# Altium PCB nixie_clock.PcbDoc (part 1 of 2)
Units mm, origin at the board's own origin, x right, y up, seen from the top; angles counter-clockwise.
Board outline 218 x 79.99 mm, 2 copper layers (Top Layer, Bottom Layer); 103 components, 131 nets, 486 pads, 87 vias.
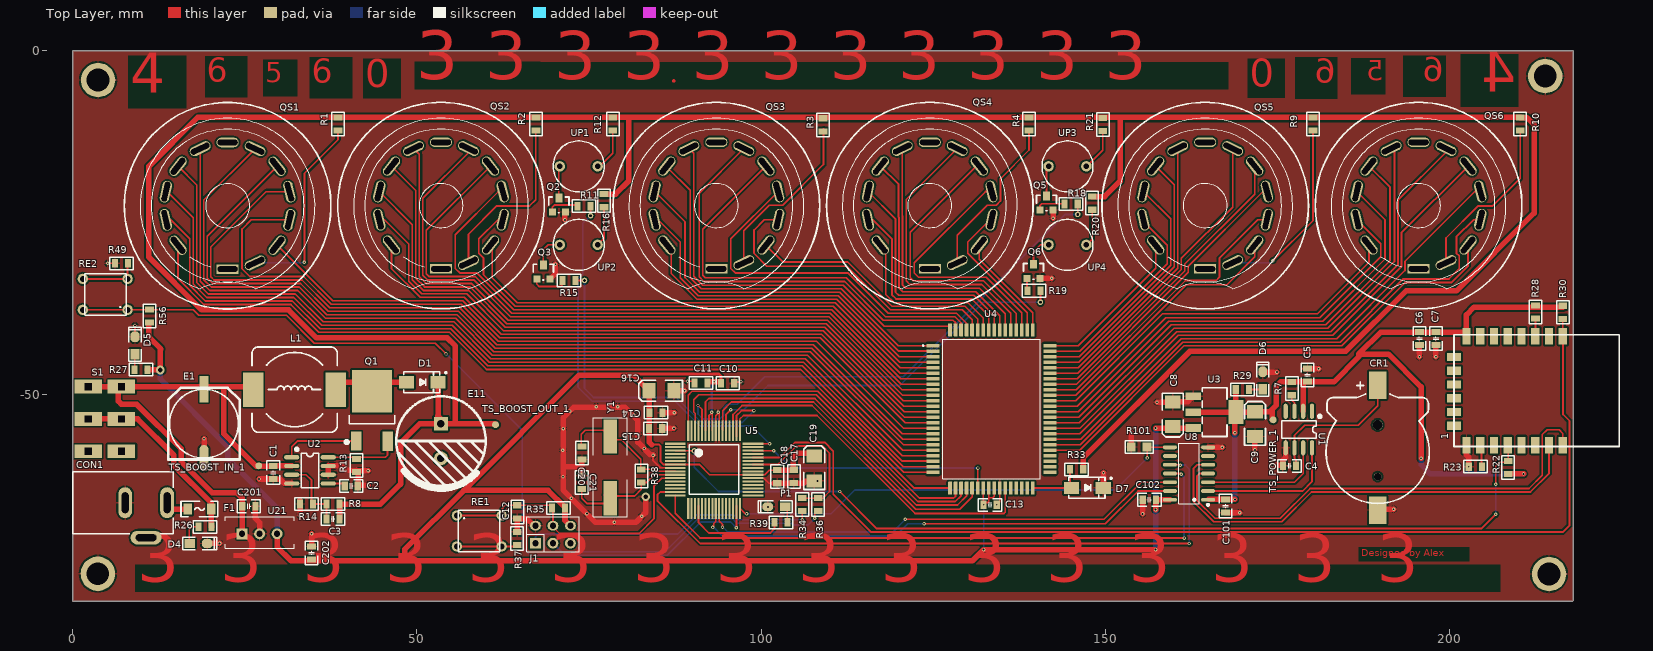
[diagram p0: Top Layer view]
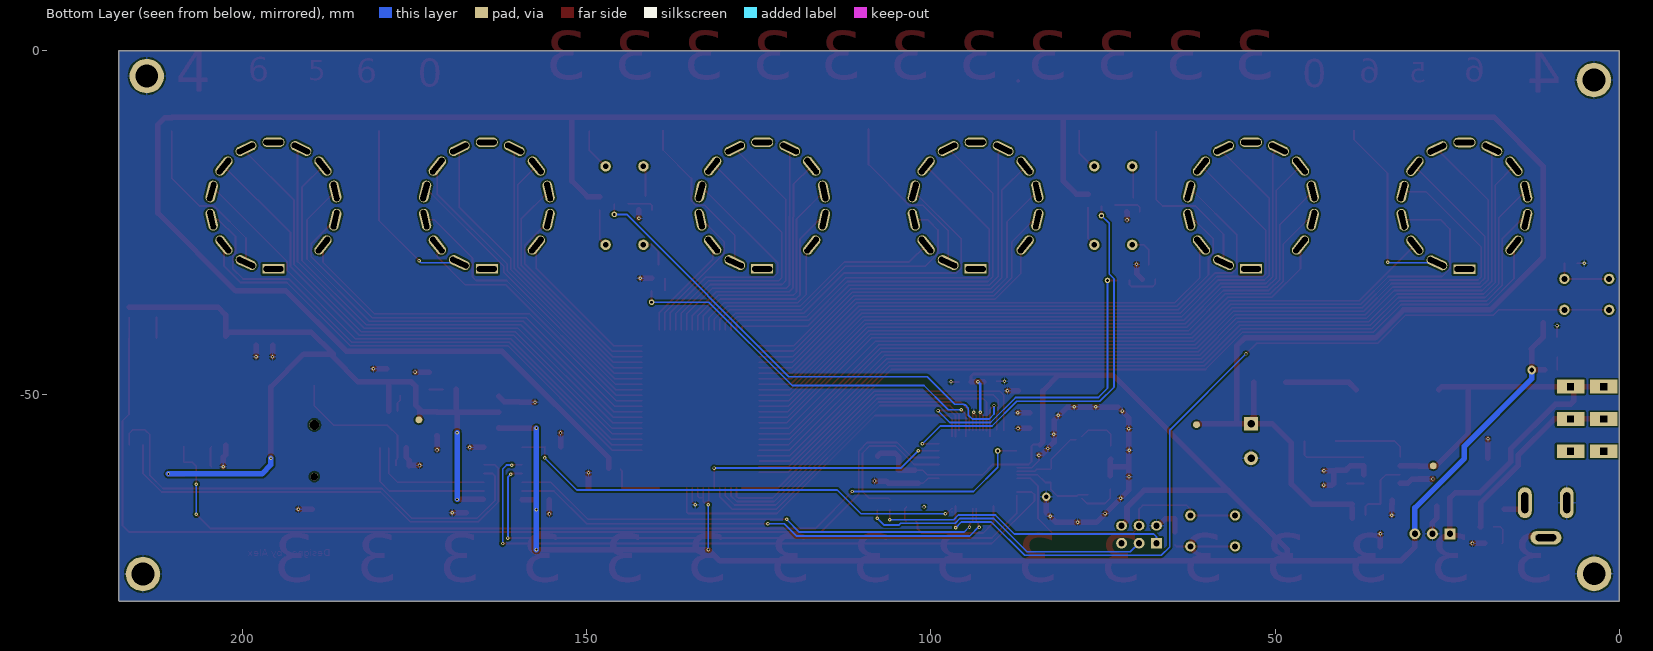
[diagram p1: Bottom Layer view, seen from below]
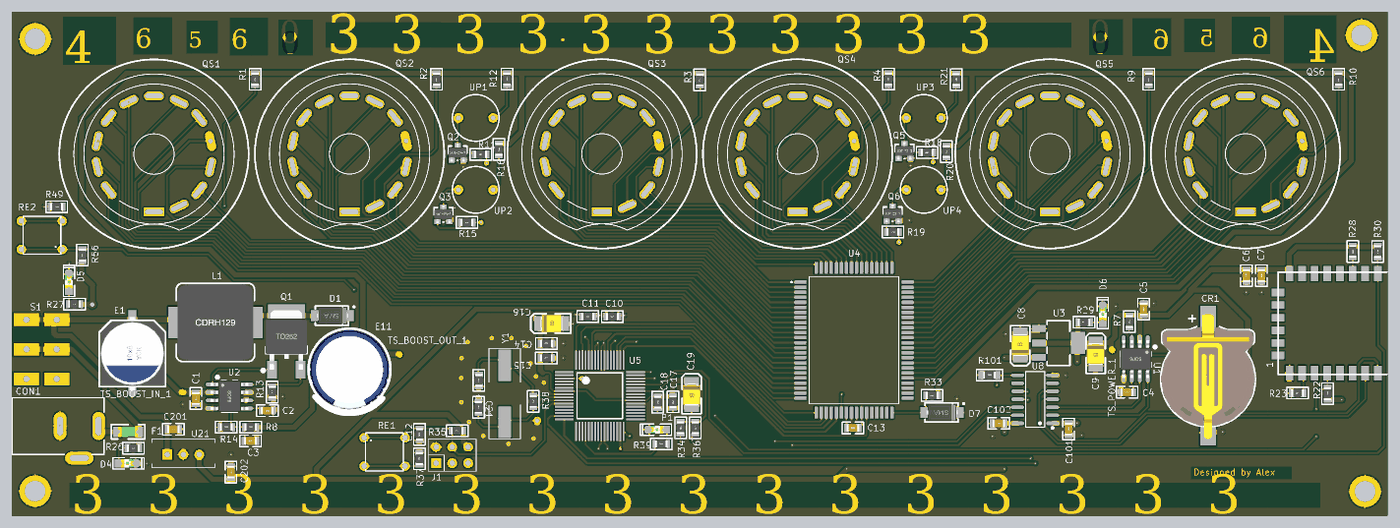
[diagram p3: 3D render of the assembled board from above, using the file's embedded part models]

## Layer stack, top to bottom
Top Solder: solder mask 0.0102, Solder Resist, Dk 3.5
Top Layer: signal copper 0.0356
Dielectric 1: dielectric 0.32, FR-4, Dk 4.8
Bottom Layer: signal copper 0.0356
Bottom Solder: solder mask 0.0102, Solder Resist, Dk 3.5

## Board outline
0,-80 217.88,-80 218,-79.88 218,-0.006 0,-0.006

## Design rules (kind name [scope] priority, off if disabled: settings)
Clearance [All] p1: gap=0.254 ignorepadtopadclearanceinfootprint=FALSE except(0: Arc-Hole Track-Hole SMDPad-Hole THPad-Hole Via-Hole Fill-Hole Poly-Hole Region-Hole Text-Hole)
PolygonConnect [All] p1: connectstyle=Relief reliefconductorwidth=0.254 reliefentries=4 polygonreliefangle="90 Angle" airgapwidth=0.254
RoomDefinition NiXie_tube_clock [InComponentClass('NiXie_tube_clock')] p1: confinementstyle=ConfineIn formatcopy=TRUE lockcomponents=FALSE outline 231.14,-73.482 242.189,-73.482 242.189,-62.56 231.14,-62.56
RoutingVias [All] p1: holewidth=0.25 width=0.5 viastyle="Through Hole" minholewidth=0.25 minwidth=0.5 maxholewidth=0.25 maxwidth=0.5
SolderMaskExpansion [All] p1: expansion=0.102
Width power [InNetClass('power')] p1: maxlimit=0.8 minlimit=0.8 preferedwidth=0.8
Width [All] p2: maxlimit=0.254 minlimit=0.254 preferedwidth=0.254
30 further rules are at their usual default settings.

## Classes and differential pairs
net class power: 3.3V 12V GND NetCON1_1 NetD1_1 NetF1_2 VCC VH

## Components (designator, comment, footprint, x,y, rotation, side; value= is the part's Value field where it differs from the comment)
1 "ESP8266" ESP8266 202.458,-57.478 r90 top
C1 "104/20+V" "C 0805_L" 29.134,-61.29 r270 top
C2 "104" "C 0805_L" 40.462,-63.221 r180 top
C3 "100PF" "C 0805_L" 37.795,-68.021 r0 top
C4 "104" "C 0805_L" 176.733,-60.3 r0 top
C5 "104" "C 0805_L" 179.349,-47.117 r270 top
C6 "1uF" "C 0805_L" 195.631,-41.808 r270 top
C7 "104" "C 0805_L" 198.018,-41.808 r270 top
C8 "10uF" "CD B(3528)" 159.791,-52.807 r90 top
C9 "10uF" "CD B(3528)" 171.755,-54.254 r270 top
C10 "100nF" "R 0805_L" 95.148,-48.311 r0 top
C11 "100nF" "R 0805_L" 91.262,-48.285 r180 top
C12 "0.1uF" "R 0805_L" 64.592,-66.98 r90 top
C13 "104" "C 0805_L" 133.274,-65.964 r180 top
C14 "100nF" "R 0805_L" 84.709,-52.578 r0 top
C15 "10nF" "R 0805_L" 84.684,-54.864 r0 top
C16 "10uF" "CD B(3528)" 85.519,-49.403 r0 top
C17 "100nF" "R 0805_L" 104.75,-61.824 r270 top
C18 "10nF" "R 0805_L" 102.337,-61.874 r270 top
C19 "10uF" "CD B(3528)" 107.721,-60.681 r270 top
C20 "22pF" "R 0805_L" 73.99,-58.42 r90 top
C21 "22pF" "R 0805_L" 73.939,-62.697 r270 top
C101 "104" "C 0805_L" 167.462,-66.142 r270 top
C102 "104" "C 0805_L" 156.388,-65.227 r180 top
C201 "0.33uF" "C 0805_L" 25.578,-66.167 r0 top
C202 "104" "C 0805_L" 34.696,-72.974 r90 top
CON1 "3.5*1.3" DC-005 14.605,-65.659 r180 top
CR1 "1220" CR1220_A 189.56,-58.268 r90 top
D1 "RS1GG" SMA 50.775,-48.158 r0 top
D4 "LED2" "LED 0805G" 18.288,-71.577 r0 top
D5 "LED2" "LED 0805G" 9.042,-42.824 r90 top
D6 "LED2" "LED 0805G" 172.872,-47.93 r90 top
D7 "1SMA5945BT3G" SMA 147.396,-63.5 r0 top
E1 "220uF/50V" "CT 10*8 - C" 19.075,-54.178 r90 top
E11 "47uF/250V" "CAP 5.0*12.5*20" 53.492,-56.704 r270 top
F1 "12V 2A" "FU 1206" 18.415,-66.573 r0 top
J1 "BDM" PIN6 69.926,-70.434 r90 top
L1 "220uH" CDRH129 32.233,-49.225 r0 top
P1 "电源指示" "LED 0805R" 102.235,-66.243 r180 top
Q1 "IRFR420BT" TO252 43.485,-53.67 r0 top
Q2 "A42" SOT23 69.548,-23.435 r0 top
Q3 "A42" SOT-23 68.377,-32.156 r0 top
Q5 "A42" SOT-23 141.453,-22.123 r0 top
Q6 "A42" SOT-23 139.573,-32.055 r0 top
QS1 "QS30-1" QS30-1 22.5,-22.525 r0 top locked
QS2 "QS30-1" QS30-1 53.5,-22.5 r0 top locked
QS3 "QS30-1" QS30-1 93.5,-22.5 r0 top locked
QS4 "QS30-1" QS30-1 124.5,-22.5 r0 top locked
QS5 "QS30-1" QS30-1 164.5,-22.5 r0 top locked
QS6 "QS30-1" QS30-1 195.5,-22.5 r0 top locked
R1 "20K" "R 0805_L" 38.532,-10.658 r90 top
R2 "20K" "R 0805_L" 67.285,-10.668 r90 top
R3 "20K" "R 0805_L" 108.991,-10.77 r90 top
R4 "20K" "R 0805_L" 138.913,-10.643 r90 top
R7 "10K" "R 0805_L" 177.089,-49.098 r270 top
R8 "1.8M" "R 0805_L" 37.821,-65.837 r0 top
R9 "20K" "R 0805_L" 180.162,-10.668 r90 top
R10 "20K" "R 0805_L" 210.261,-10.668 r90 top
R11 "33K" "R 0805_L" 74.27,-22.581 r180 top
R12 "100K" "R 0805_L" 78.461,-10.643 r270 top
R13 "40mR" "R 0805_L" 41.224,-60.274 r90 top
R14 "16K" "R 0805_L" 33.948,-65.837 r0 top
R15 "33K" "R 0805_L" 72.085,-33.376 r180 top
R16 "100K" "R 0805_L" 77.165,-21.793 r270 top
R18 "33K" "R 0805_L" 145.034,-22.276 r180 top
R19 "33K" "R 0805_L" 139.624,-34.874 r180 top
R20 "100K" "R 0805_L" 148.082,-22.149 r270 top
R21 "100K" "R 0805_L" 149.631,-10.719 r270 top
R22 "1K" "R 0805_L" 208.509,-60.528 r270 top
R23 "1K" "R 0805_L" 203.747,-60.427 r180 top
R26 "2.4K" "R 0805_L" 19.228,-69.164 r180 top
R27 "1K" "R 0805_L" 9.906,-46.33 r180 top
R28 "1K" "R 0805_L" 212.496,-37.973 r270 top
R29 "604R" "R 0805_L" 169.901,-49.2 r0 top
R30 "1K" "R 0805_L" 216.459,-37.998 r270 top
R33 "240K" "R 0805_L" 145.833,-60.808 r180 top
R34 "51R" "R 0805_L" 105.969,-65.938 r270 top
R35 "10K" "R 0805_L" 70.561,-66.421 r0 top
R36 "51R" "R 0805_L" 108.28,-65.938 r270 top
R37 "100R" "R 0805_L" 64.567,-70.841 r90 top
R38 "1M" "R 0805_L" 82.601,-61.758 r270 top
R39 "1K" "R 0805_L" 102.895,-68.504 r0 top
R49 "1K" "R 0805_L" 7.087,-30.886 r180 top
R56 "100K" "R 0805_L" 11.151,-38.557 r90 top
R101 "100k" "R 0805_M" 154.915,-57.582 r0 top
RE1 "SW DIP-2" 6MManjian 56.026,-67.643 r0 top
RE2 "SW DIP-2" 6MManjian 7.756,-37.517 r180 top
S1 "SK-22D02" 钮子开关6脚3档 7.086,-58.192 r180 top
TS_BOOST_IN_1 "12x16" TP_ROUND 27.026,-60.3 r90 top
TS_BOOST_OUT_1 "12x16" TP_round 61.417,-54.331 r90 top
TS_POWER_1 "12x16" TP_round 174.371,-53.619 r90 top
U1 "DS3231MZ+" SOIC-8 178.105,-55.029 r270 top
U2 "MAX1771CSA+" SOIC-8 34.468,-60.96 r0 top
U3 "AMS1117-3.3" SOT-223-3_L6.5-W3.4-P2.30-LS7.0-BR 165.862,-52.502 r180 top
U4 "HV57708PG" QFP80P2390X1790X340-80N 133.452,-52.045 r0 top locked
U5 "MC9S08DZ60" "64-LQFP-10 - duplicate" 87.512,-57.097 r0 top
U8 "TXS0104EDR" TXS0104E 162.154,-61.417 r90 top
U21 "7805" TO-220-78XX 27.153,-70.18 r0 top
UP1 "Neon" Neon 73.5,-16.8 r0 top locked
UP2 "Neon" Neon 73.5,-28.2 r0 top locked
UP3 "Neon" Neon 144.5,-16.8 r0 top locked
UP4 "Neon" Neon 144.5,-28.2 r0 top locked
Y1 "4MHZ" 4M2P 77.927,-59.665 r270 top

## Footprints (in the part's own frame and the unit in brackets; to place one, negate y for a bottom-side part, rotate by r counter-clockwise, add the part's x,y. Pads: shape width x height; smd on the part's side, far side on the other; paste and mask are expansions set on the pad)
4M2P [mm]
  rect 5x2 smd: 1(-3.628,0.156) 2(5.372,0.156)
  silkscreen extent -6.32,-2.34 8.04,2.66
6MManjian [mm]
  round 1.5 hole 0.9: 1(-0.22,0.13) 2(6.28,0.13) 3(-0.22,-4.37) 4(6.28,-4.37)
  silkscreen extent 0.01,-5.13 5.99,0.88
"64-LQFP-10 - duplicate" [mm]
  rect 3x0.3 smd: 1(0,0) 2(0,-0.5) 3(0,-1) 4(0,-1.5) 5(0,-2) 6(0,-2.5) 7(0,-3) 8(0,-3.5) 9(0,-4) 10(0,-4.5) 11(0,-5) 12(0,-5.5) 13(0,-6) 14(0,-6.5) 15(0,-7) 16(0,-7.5) 33(11.3,-7.5) 34(11.3,-7) 35(11.3,-6.5) 36(11.3,-6) 37(11.3,-5.5) 38(11.3,-5) 39(11.3,-4.5) 40(11.3,-4) 41(11.3,-3.5) 42(11.3,-3) 43(11.3,-2.5) 44(11.3,-2) 45(11.3,-1.5) 46(11.3,-1) 47(11.3,-0.5) 48(11.3,0)
  rect 0.3x3 smd: 17(1.9,-9.4) 18(2.4,-9.4) 19(2.9,-9.4) 20(3.4,-9.4) 21(3.9,-9.4) 22(4.4,-9.4) 23(4.9,-9.4) 24(5.4,-9.4) 25(5.9,-9.4) 26(6.4,-9.4) 27(6.9,-9.4) 28(7.4,-9.4) 29(7.9,-9.4) 30(8.4,-9.4) 31(8.9,-9.4) 32(9.4,-9.4) 49(9.4,1.9) 50(8.9,1.9) 51(8.4,1.9) 52(7.9,1.9) 53(7.4,1.9) 54(6.9,1.9) 55(6.4,1.9) 56(5.9,1.9) 57(5.4,1.9) 58(4.9,1.9) 59(4.4,1.9) 60(3.9,1.9) 61(3.4,1.9) 62(2.9,1.9) 63(2.4,1.9) 64(1.9,1.9)
  silkscreen extent 2.03,-7.36 9.26,-0.14
"C 0805_L" [mil] "无极性贴片电容                                        淘宝ID:黄晶宝石"
  rect 35x50 smd: 1(-37.4,0) 2(37.4,0)
  silkscreen extent -67,-36 67,36, body extent -39,-24 39,24, height 20
"CAP 5.0*12.5*20" [mm] "脚距5mm直径12.5mm高度20mm"
  rect 2x2 hole 1.1: 1(-2.5,0)
  round 2 hole 1.1: 2(2.5,0)
  silkscreen extent -6.5,-6.5 6.99,6.5, body extent -6.25,-6.25 6.26,6.25, height 20.03
"CD B(3528)" [mil] "长3.5mm，宽2.8mm，厚1.9mm      淘宝ID:黄晶宝石"
  rect 75x90 smd: 1(-70.87,-0.01) 2(70.86,-0.01)
  silkscreen extent -130,-60 120,60, body extent -69,-55 69,55, height 75
CDRH129 [mm] "12*12*9.5mm（长宽高）"
  rect 3x5 smd: 1(-6,0) 2(6,0)
  silkscreen extent -6.2,-6.2 6.2,6.2, body extent -6,-6 6,6, height 9.65
CR1220_A [mm] "纽扣电池座                         淘宝ID:黄晶宝石"
  round 1.1 hole 1.1: 0(-3.6,0)
  round 1.45 hole 1.45: 0(3.9,0)
  rect 4x2.5 smd: 1(9.652,0) 2(-8.458,0)
  silkscreen extent -7.5,-7.5 10.16,7.5, body extent -9.42,-7.45 10.34,7.45, height 4.05
"CT 10*8 - C" [mm] "直径10mm，高8mm"
  rect 3.8x1.3 smd: 1(5,0)
  oval 3.8x1.3 smd: 2(-5,0)
  silkscreen extent -5.2,-5.2 5.2,5.2, body extent -5.8,-5.15 5.8,5.15, height 8
DC-005 [mm] "DC母座5.5mm"
  oval 2x4.5 hole 1 slot 3 at 90 deg: 1(0.889,0) 2(6.985,0)
  oval 4.5x2 hole 1 slot 3 at 0 deg: 3(3.937,5.08)
  silkscreen extent 0,-4.5 14.6,4.5, body extent 0,-4.44 14.6,4.45, height 11
ESP8266 [mm]
  rect 2.4x1.2 smd: 1(0.2,0) 2(0.2,-2) 3(0.2,-4) 4(0.2,-6) 5(0.2,-8) 6(0.2,-10) 7(0.2,-12) 8(0.2,-14) 9(16,-14) 10(16,-12) 11(16,-10) 12(16,-8) 13(16,-6) 14(16,-4) 15(16,-2) 16(16,0)
  rect 1.2x2 smd: 17(13,1.8) 18(11,1.8) 19(9,1.8) 20(7,1.8) 21(5,1.8) 22(3,1.8)
  silkscreen extent 0,-22.2 16.2,1.8
"FU 1206" [mil] "贴片保险丝"
  rect 50x65 smd: 1(-67.5,0) 2(67.5,0)
  silkscreen extent -105,-45 105,45, body extent -63,-32 63,32, height 34
"LED 0805G" [mil] "绿色0805LED                              淘宝ID:黄晶宝石"
  rect 60x50 smd: 1(-50,0)
  oct 60x50 smd: 2(50,0)
  silkscreen extent -90,-35 105,35, body extent -39,-25 39,25, height 32
"LED 0805R" [mil] "红色0805LED                                       淘宝ID:黄晶宝石"
  rect 60x50 smd: 1(-50,0)
  oct 60x50 smd: 2(50,0)
  silkscreen extent -90,-35 105,35, body extent -39,-25 39,25, height 32
Neon [mm]
  round 1.524 hole 0.8: 1(2.75,0) 2(-2.75,0)
  silkscreen extent -3.7,-3.7 3.7,3.7
PIN6 [mm]
  rect 1.575x1.575 hole 0.9: 1(-1.107,2.704)
  oval 1.4x1.575 hole 0.9: 2(1.433,2.704) 4(1.433,0.164) 6(1.433,-2.376)
  round 1.575 hole 0.9: 3(-1.107,0.164) 5(-1.107,-2.376)
  silkscreen extent -2.38,-3.65 2.7,3.97
QFP80P2390X1790X340-80N [mm]
  rrect25% 1.88x0.55 smd: 1(-8.49,9.2) 2(-8.49,8.4) 3(-8.49,7.6) 4(-8.49,6.8) 5(-8.49,6) 6(-8.49,5.2) 7(-8.49,4.4) 8(-8.49,3.6) 9(-8.49,2.8) 10(-8.49,2) 11(-8.49,1.2) 12(-8.49,0.4) 13(-8.49,-0.4) 14(-8.49,-1.2) 15(-8.49,-2) 16(-8.49,-2.8) 17(-8.49,-3.6) 18(-8.49,-4.4) 19(-8.49,-5.2) 20(-8.49,-6) 21(-8.49,-6.8) 22(-8.49,-7.6) 23(-8.49,-8.4) 24(-8.49,-9.2) 41(8.49,-9.2) 42(8.49,-8.4) 43(8.49,-7.6) 44(8.49,-6.8) 45(8.49,-6) 46(8.49,-5.2) 47(8.49,-4.4) 48(8.49,-3.6) 49(8.49,-2.8) 50(8.49,-2) 51(8.49,-1.2) 52(8.49,-0.4) 53(8.49,0.4) 54(8.49,1.2) 55(8.49,2) 56(8.49,2.8) 57(8.49,3.6) 58(8.49,4.4) 59(8.49,5.2) 60(8.49,6) 61(8.49,6.8) 62(8.49,7.6) 63(8.49,8.4) 64(8.49,9.2)
  rrect25% 0.55x1.88 smd: 25(-6,-11.49) 26(-5.2,-11.49) 27(-4.4,-11.49) 28(-3.6,-11.49) 29(-2.8,-11.49) 30(-2,-11.49) 31(-1.2,-11.49) 32(-0.4,-11.49) 33(0.4,-11.49) 34(1.2,-11.49) 35(2,-11.49) 36(2.8,-11.49) 37(3.6,-11.49) 38(4.4,-11.49) 39(5.2,-11.49) 40(6,-11.49) 65(6,11.49) 66(5.2,11.49) 67(4.4,11.49) 68(3.6,11.49) 69(2.8,11.49) 70(2,11.49) 71(1.2,11.49) 72(0.4,11.49) 73(-0.4,11.49) 74(-1.2,11.49) 75(-2,11.49) 76(-2.8,11.49) 77(-3.6,11.49) 78(-4.4,11.49) 79(-5.2,11.49) 80(-6,11.49)
  silkscreen extent -10.01,-10.1 7.1,10.1
QS30-1 [mm]
  rect 3.2x1.4 hole 0.8 slot 2.9 at 0 deg: 1(0,-9.2)
  oval 3.2x1.4 hole 0.8 slot 2.9 at 25.71 deg rot 25.71: 2(3.992,-8.289) 9(-3.992,8.289)
  oval 3.2x1.4 hole 0.8 slot 2.9 at 51.43 deg rot 51.43: 3(7.193,-5.736) 10(-7.193,5.736)
  oval 3.2x1.4 hole 0.8 slot 2.9 at 77.14 deg rot 77.14: 4(8.969,-2.047) 11(-8.969,2.047)
  oval 3.2x1.4 hole 0.8 slot 2.9 at 106.06 deg rot 102.86: 5(8.969,2.047)
  oval 3.2x1.4 hole 0.8 slot 2.9 at 128.57 deg rot 128.57: 6(7.193,5.736) 13(-7.193,-5.736)
  oval 3.2x1.4 hole 0.8 slot 2.9 at 154.29 deg rot 154.29: 7(3.992,8.289)
  oval 3.2x1.4 hole 0.8 slot 2.9 at 0 deg: 8(0,9.2)
  oval 3.2x1.4 hole 0.8 slot 2.9 at 102.86 deg rot 102.86: 12(-8.969,-2.047)
  silkscreen extent -15,-15 15,15
"R 0805_L" [mil] "1/8W贴片电阻"
  rect 35x50 smd: 1(-37.4,0) 2(37.4,0)
  silkscreen extent -67,-36 67,36, body extent -39,-25 39,25, height 20
"R 0805_M" [mil] "1/8W贴片电阻"
  rect 50x50 smd: 1(-45,0) 2(45,0)
  silkscreen extent -81,-36 81,36, body extent -39,-25 39,25, height 20
SMA [mm] "4.5x2.6*2.2mm（长宽高，不包括引脚）"
  rect 2.2x1.75 smd: 1(-2.3,0) 2(2.3,0)
  silkscreen extent -2.7,-1.52 3.56,1.52, body extent -2.53,-1.3 2.58,1.3, height 2.15
SOIC-8 [mm] "封装库来自淘宝卖家 ID：黄晶宝石，其他均为盗版"
  oval 2.2x0.6 smd: 1(-2.654,1.905) 2(-2.654,0.635) 3(-2.654,-0.635) 4(-2.654,-1.905) 5(2.654,-1.905) 6(2.654,-0.635) 7(2.654,0.635) 8(2.654,1.905)
  silkscreen extent -2.06,-2.5 1.27,3.2, body extent -3,-2.5 3,2.5, height 1.9
SOT23 [mil] "封装库来自淘宝卖家 ID：黄晶宝石"
  rect 40x40 smd: 1(4.88,0.63) 2(79.88,0.63)
  rect 40x50 smd: 3(41.88,80.63)
  silkscreen extent -15,-4 100,86, body extent -15,-11 99,99, height 47
SOT-23 [mil] "封装库来自淘宝卖家 ID：黄晶宝石"
  rect 40x40 smd: 1(-37.5,-40) 2(37.5,-40)
  rect 40x50 smd: 3(-0.5,40)
  silkscreen extent -58,-45 58,45, body extent -57,-52 57,59, height 47
SOT-223-3_L6.5-W3.4-P2.30-LS7.0-BR [mm]
  rect 2.2x1.1 smd: 1(3.099,-2.3) 2(3.099,0) 3(3.099,2.3)
  rect 2.2x3.5 smd: 4(-3.099,0)
  silkscreen extent -1.8,-3.55 1.8,3.55
TO252 [mil] "252晶体管"
  rect 230x245 smd: D(0,165.35)
  rect 60x110 smd: G(-89.55,-119.77) S(88.45,-120.77)
  silkscreen extent -153,-133 130,28, body extent -128,-120 128,251, height 91
TO-220-78XX [mil]
  rect 62x62 hole 35.43: 1(-100,0)
  round 62 hole 35.43: 2(0,0) 3(100,0)
  silkscreen extent -197,-83 197,98
TP_ROUND [mm]
  round 1 all layers, no hole: 1(0,0)
TP_round [mm]
  round 1 all layers, no hole: 1(0,0)
TXS0104E [mm]
  oval 0.574x2.038 smd: 1(-3.81,-2.769) 2(-2.54,-2.769) 3(-1.27,-2.769) 4(0,-2.769) 5(1.27,-2.769) 6(2.54,-2.769) 7(3.81,-2.769) 8(3.81,2.769) 9(2.54,2.769) 10(1.27,2.769) 11(0,2.769) 12(-1.27,2.769) 13(-2.54,2.769) 14(-3.81,2.769)
  silkscreen extent -4.7,-2.92 4.4,1.52
钮子开关6脚3档 [mm]
  rect 4x2 hole 1 square: 1(0,0) 2(0,-4.7) 3(0,-9.4) 4(4.8,-9.4) 5(4.8,-4.7) 6(4.8,0)

## Part data
C1 C2 C3 C4 C5 C6 C7 C13 C101 C102 C201 C202: library part C, "贴片电容", BOM名称=无极性贴片电容, 封装库来自淘宝卖家 ID：黄晶宝石=其他店铺购入均为盗版假冒封装库, 技术支持，联系售后=唯一出售店铺网址https://shop463601444.taobao.com
C8 C9: library part Cap2, "钽电容", PackageDescription="Capacitor; 2 Leads", PackageReference=CAPR5-4X5, Published=23-Sep-2002, Publisher="Altium Limited"
C10 C11 C14 C15 C17 C18 C20 C21: library part CAP
C12: library part Cap, "Capacitor", LatestRevisionDate=17-Jul-2002, LatestRevisionNote="Re-released for DXP Platform.", PackageDescription="Radial Cap, Thru-Hole; 2 Leads; 0.3 in Pin Spacing", PackageReference=RAD-0.3, Published=8-Jun-2000, Publisher="Altium Limited"
C16 C19: library part ELE-CAP
CON1: library part P-DC, "低压电源接口", BOM名称=DC电源接口, 卖家免费技术支持，联系售后=唯一出售店铺网址https://shop463601444.taobao.com, 封装库来自淘宝卖家 ID：黄晶宝石=其他店铺购入均为盗版假冒封装库，请立即申请退款，本店3~10元现金奖励
CR1: library part CR-3V, "微型电池", BOM名称=微型电池, 免费技术支持，联系售后=唯一出售店铺网址https://shop463601444.taobao.com, 封装库来自淘宝卖家 ID：黄晶宝石=其他店铺购入均为盗版，请立即申请退款，本店提供现金奖励
D1: library part 稳压二极管, "Zener Diode", 封装库来自淘宝卖家 ID：黄晶宝石=其他店铺购入均为盗版假冒封装库, 技术支持，联系售后=唯一出售店铺网址https://shop463601444.taobao.com
D4 D5 D6: "Typical RED, GREEN, YELLOW, AMBER GaAs LED", LatestRevisionDate=17-Jul-2002, LatestRevisionNote="Re-released for DXP Platform.", PackageDescription="SM LED; 2 Flat Leads", PackageReference=3.2X1.6X1.1, PackageVersion=Feb-2002, Published=8-Jun-2000, Publisher="Altium Limited"
D7: library part 1SMA5931BT3G, BOM_LCSC Assembly=Yes, BOM_Manufacturer="ON Semicon", BOM_Manufacturer Part=1SMA5931BT3G, BOM_Supplier=LCSC, BOM_Supplier Part=C94872, Contributor=LCSC, SMT Type=Extend, spicePre=D, spiceSymbolName=1SMA5931BT3G
E1 E11: library part CS_SMD, "贴片固态电容", BOM名称=贴片固态电容, 封装库来自淘宝卖家 ID：黄晶宝石=其他店铺购入均为盗版假冒封装库, 技术支持，联系售后=唯一出售店铺网址https://shop463601444.taobao.com
F1: library part "Fuse 1", "Fuse", LatestRevisionDate=17-Jul-2002, LatestRevisionNote="Re-released for DXP Platform.", PackageDescription="Thru-Hole; 2 Leads", PackageReference=PIN-W2/E2.8, Published=8-Jun-2000, Publisher="Altium Limited"
L1: library part L, "小功率贴片电感", BOM名称=小功率贴片电感, 封装库来自淘宝卖家 ID：黄晶宝石=其他店铺购入均为盗版假冒封装库, 技术支持，联系售后=唯一出售店铺网址https://shop463601444.taobao.com
P1: library part LED
Q1: library part MOSFET-N, "N-Channel MOSFET", 封装库来自淘宝卖家 ID：黄晶宝石=其他店铺购入均为假冒，请申请退款，本店现金奖励, 技术支持，联系售后=唯一出售店铺网址https://shop463601444.taobao.com
Q2 Q3 Q5 Q6: library part 2N3904, "NPN General Purpose Amplifier", ComponentLink1Description="Manufacturer Link", ComponentLink1URL=http://www.fairchildsemi.com/, ComponentLink2Description=Datasheet, ComponentLink2URL=http://www.fairchildsemi.com/ds/2N%2F2N3904.pdf, DatasheetVersion=1997, LatestRevisionDate=15-Jan-2003, LatestRevisionNote="PCB Footprint 'BCY-W3/D4.7' replaced", PackageDescription="TO, Flat Index; 3 In-Line, Axial Leads; Body Dia. 4.5mm; Leads 0.51 x 0.48 mm (max)", PackageReference=TO-92A, PackageVersion=Sep-1998, Published=8-Jun-2000, Publisher="Altium Limited"
R1 R2 R3 R4 R9 R10 R11 R12 R15 R16 R18 R19 R20 R21 R26 R27 R29 R35 R37: library part Res2, "Resistor", LatestRevisionDate=17-Jul-2002, LatestRevisionNote="Re-released for DXP Platform.", PackageDescription="Axial Device, Thru-Hole; 2 Leads; 0.4 in Pin Spacing", PackageReference=AXIAL-0.4, Published=8-Jun-2000, Publisher="Altium Limited"
R7 R8 R13 R14 R22 R23 R28 R30 R33 R34 R36 R38 R39 R49 R56: library part RESISTANCE
R101: library part R, "贴片电阻", BOM名称=贴片电阻, 封装库来自淘宝卖家 ID：黄晶宝石=其他店铺购入均为盗版假冒封装库, 技术支持，联系售后=唯一出售店铺网址https://shop463601444.taobao.com
RE1 RE2: "DIP Switch, 2 Position, SPST", LatestRevisionDate=17-Jul-2002, LatestRevisionNote="Re-released for DXP Platform.", PackageReference=DIP-4, Published=24-Mar-1999, Publisher="Altium Limited"
S1: library part SSW-2P, "2路波动开关", BOM名称=波动开关, 免费技术支持，联系售后=唯一出售店铺网址https://shop463601444.taobao.com, 封装库来自淘宝卖家 ID：黄晶宝石=其他店铺购入均为盗版假冒封装库，请立即申请退款，本店3~10元现金奖励
TS_BOOST_IN_1 TS_BOOST_OUT_1 TS_POWER_1: library part TTS, "触控弹簧", BOM名称=触控弹簧, 免费技术支持，联系售后=唯一出售店铺网址https://shop463601444.taobao.com, 封装库来自淘宝卖家 ID：黄晶宝石=其他店铺购入均为盗版假冒封装库，请立即申请退款，本店3~10元现金奖励
U1: BOM_JLCPCB Part Class="Extended Part", BOM_Manufacturer=MAXIM, BOM_Manufacturer Part=DS3231MZ+, BOM_Supplier=LCSC, BOM_Supplier Part=C107410, spicePre=U, spiceSymbolName=DS3231MZ+
U2: "Boost, Buck-Boost Regulator Positive Output Step-Up, Step-Up/Step-Down DC-DC Controller IC 8-SOIC", Package="SOIC-8 Maxim", Availability=Unavailable, MF="Maxim Integrated", MP=MAX1771CSA+, Price=None, SnapEDA_Link=https://www.snapeda.com/parts/MAX1771CSA+/Maxim%20Integrated/view-part/578827/?ref=snap
U3: BOM_LCSC Assembly=Yes, BOM_Manufacturer=AMS, BOM_Manufacturer Part=AMS1117-3.3, BOM_Supplier=LCSC, BOM_Supplier Part=C6186, image=//image.lceda.cn/szlcsc/C6186.jpg, SMT Type=Basic, sourceId=dwIGgezVh, spicePre=U, spiceSymbolName=AMS1117-3.3, timeStamp=1476261164
U8: BOM_JLCPCB Part Class="Extended Part", BOM_Manufacturer=TI, BOM_Manufacturer Part=TXS0104EDR, BOM_Supplier=LCSC, BOM_Supplier Part=C79342, Contributor=LCSC, spicePre=U, spiceSymbolName=TXS0104EDR
Y1: library part CRYSTAL

## Free pads (board coordinates)
  round 5 hole 3.3: 1(3.683,-4.267) 2(213.893,-3.683) 3(214.452,-76.022) 4(3.658,-75.971)
  round 0.8 hole 0.4: 78(90.297,-58.141) 79(75.22,-23.962) 80(74.346,-33.376) 81(145.984,-23.785) 82(140.574,-36.535)
  round 0.5 hole 0.25: 87(96.404,-69.291)

## Via types
v1: diameter 0.5, hole 0.25, Top Layer to Bottom Layer, tented both sides, 71 vias
v2: diameter 0.5, hole 0.25, Top Layer to Bottom Layer, 14 vias
v3: diameter 1.27, hole 0.711, Top Layer to Bottom Layer, tented both sides, 1 vias
v4: diameter 1.27, hole 0.711, Top Layer to Bottom Layer, 1 vias

## Nets (pads, with @x,y where several pads share a name; then routed paths per layer and width w, separated by ;. In a path a pad name is that pad's centre, name@x,y a point inside that pad or via, vN(x,y) a via of type N, cw(c..) or ccw(c..) an arc to the next point about the centre after c; other vN are vias at no path point)
3.3V: 1.16 C5.2 C6.1 C7.1 C9.1 C101.1 R7.1 R22.2 R28.1 R29.1 R30.1 TS_POWER_1.1 U1.2 U3.2 U3.4 U8.1 | length 129.9
  Top Layer w0.8: U3.2@162.763,-52.502 U3.4@168.961,-52.502 ; U8.1@165.048,-65.192 C101.1@167.462,-65.192 v1(168.819,-65.192) ; v1(168.819,-55.489) 168.819,-52.644 U3.4@168.961,-52.502 ; R29.1@168.951,-49.2 168.961,-49.21 U3.4@168.961,-52.502 ; TS_POWER_1.1@174.219,-53.594 174.219,-52.095 ; U1.2@178.74,-52.375 178.74,-48.27 C5.2@178.918,-48.092 ; v1(195.859,-59.207) 195.859,-48.844 191.099,-44.084 186.806,-44.084 ; R22.2@208.509,-61.478 v1(210.744,-61.478) ; R30.1@216.459,-37.248 203.569,-37.248 202.458,-38.36 1.16@202.458,-41.478 201.848,-40.869 190.022,-40.869 186.806,-44.084 ; U3.4@168.961,-52.502 171.707,-52.502 C9.1@171.755,-52.454 173.86,-52.454 174.219,-52.095 ; 174.219,-52.095 174.803,-51.511 174.803,-48.768 175.478,-48.092 C5.2@178.918,-48.092 ; C5.2@178.918,-48.092 183.2,-48.092 186.806,-44.486 186.806,-44.084
  Bottom Layer w0.8: v1(168.819,-65.192) v1(168.819,-55.489) ; v1(195.859,-59.207) 195.859,-60.125 197.181,-61.478 v1(210.744,-61.478)
12V: C1.1 C201.1 E1.1 L1.1 S1.3 S1.4 TS_BOOST_IN_1.1 U2.2 U21.1 | length 75.1
  Top Layer w0.8: S1.4@2.286,-48.792 S1.3@7.086,-48.792 ; 21.92,-48.895 21.92,-55.626 26.634,-60.34 C1.1@29.134,-60.34 29.149,-60.325 U2.2@31.814,-60.325 ; U21.1@24.613,-70.18 24.613,-64.973 23.825,-64.186 20.244,-64.186 15.735,-59.677 15.735,-57.798 9.296,-51.358 7.086,-51.358 6.629,-50.902 6.629,-49.249 S1.3@7.086,-48.792 ; L1.1@26.233,-49.225 25.826,-48.819 7.112,-48.819 S1.3@7.086,-48.792
BKGD: R34.1 R36.1 U5.42 | length 22.7
  Top Layer w0.254: U5.42@98.812,-60.097 102.445,-60.097 105.138,-57.404 108.879,-57.404 109.931,-58.456 109.931,-64.033 108.966,-64.999 106.159,-64.999 R34.1@105.969,-65.188
CpuState: R39.1 U5.20 | length 15.5
  Top Layer w0.254: U5.20@90.913,-66.088 90.913,-68.587 92.38,-70.053 101.346,-70.053 101.93,-69.469 101.93,-68.631 R39.1@102.145,-68.416
DOT0: pad.79 R11.1 U5.48 | length 60.7
  Top Layer w0.254: pad.79@75.22,-23.962 R11.1@75.22,-22.581 ; U5.48@98.812,-57.097 v1(101.221,-57.097)
  Bottom Layer w0.254: pad.79@75.22,-23.962 74.092,-25.09 74.092,-32.436 73.406,-33.122 73.406,-48.87 75.463,-50.927 87.539,-50.927 91.121,-54.508 98.632,-54.508 v1(101.221,-57.097)
DOT1: pad.80 R15.1 U5.50 | length 51.5
  Top Layer w0.254: R15.1@73.035,-33.376 pad.80@74.346,-33.376 ; U5.50@96.413,-54.788 96.413,-53.015 97.155,-52.273 v1(98.958,-52.273) ; U5.50@96.421,-56.061 96.421,-53.566
  Bottom Layer w0.254: pad.80@74.346,-33.376 74.346,-49.047 75.667,-50.368 87.699,-50.368 91.331,-54 97.231,-54 v1(98.958,-52.273)
DOT2: pad.82 R19.1 U5.53 | length 57.9
  Top Layer w0.254: U5.53@94.912,-55.197 94.912,-52.815 v1(95.58,-52.146) ; U5.53@94.913,-54.788 94.921,-54.729 U5.53@94.921,-56.061 ; pad.82@140.574,-36.535 R19.1@140.574,-34.874
  Bottom Layer w0.254: v1(95.58,-52.146) 95.602,-52.168 97.493,-52.168 97.862,-51.798 97.862,-51.769 100.994,-48.637 120.146,-48.637 132.248,-36.535 pad.82@140.574,-36.535
DOT3: pad.81 R18.1 U5.60 | length 76.8
  Top Layer w0.254: v1(90.83,-51.537) 91.404,-52.11 91.404,-52.732 ; U5.60@91.413,-54.788 91.413,-52.732 ; U5.60@91.421,-56.061 U5.60@91.421,-53.892 ; pad.81@145.984,-23.785 R18.1@145.984,-22.276
  Bottom Layer w0.254: v1(90.83,-51.537) 90.83,-52.781 91.542,-53.492 94.005,-53.492 94.564,-52.934 94.564,-51.918 95.025,-51.456 95.105,-51.456 95.203,-51.359 96.517,-51.359 100.53,-47.346 120.625,-47.346 144.186,-23.785 pad.81@145.984,-23.785
EXTAL: C20.2 R38.1 U5.9 Y1.1 | length 17.8
  Top Layer w0.254: C20.2@73.889,-57.47 73.889,-55.702 74.473,-55.118 77.165,-55.118 Y1.1@78.083,-56.037 ; Y1.1@78.919,-56.528 79.719,-56.528 82.525,-59.334 R38.1@82.525,-60.706 ; R38.1@82.601,-60.808 84.605,-60.786 84.922,-61.097 U5.9@87.512,-61.097
GND: 1.1 C1.2 C2.1 C4.1 C5.1 C6.2 C7.2 C8.2 C9.2 C10.2 C11.2 C12.1 C13.1 C14.2 C15.2 C16.2 C17.2 C18.2 C19.2 C20.1 C21.1 C101.2 C102.2 C201.2 C202.2 CON1.2 CR1.2 D4.2 D5.2 D6.2 D7.2 E1.2 E11.2 J1.2 P1.2 pad.1 pad.2 pad.3 pad.4 Q2.2 Q3.2 Q5.2 Q6.2 R13.1 R14.1 R23.2 R37.2 R49.2 R101.1 U1.5 U2.4 U2.6 U2.7 U3.1 U4.34 U5.8 U5.38 U5.55 U5.56 U8.7 U21.2 | length 158.6
  Top Layer w0.254: v1(5.105,-30.886) R49.2@6.137,-30.886 ; D5.2@9.042,-41.631 D5.2@9.042,-41.554 v1(9.042,-39.929) ; v2@84.303,-58.699 84.303,-59.538 85.362,-60.597 U5.8@87.512,-60.597 ; v1(89.306,-48.006) C11.2@90.512,-48.006 ; U5.56@93.412,-55.197 93.412,-53.01 v1@93.861,-52.561 ; v1(93.777,-52.502) 93.802,-52.502 v1@93.861,-52.561 ; U5.55@93.912,-55.197 93.912,-52.611 v1@93.861,-52.561 ; C10.2@95.873,-48.108 v1(97.079,-48.108) ; U5.38@98.812,-62.097 100.4,-62.097 101.143,-62.84 C18.2@101.854,-62.84 ; P1.2@100.914,-66.243 P1.2@100.965,-66.243 ; v1(134.224,-65.964) 134.652,-65.536 U4.34@134.652,-63.535
  Top Layer w0.8: E1.2@19.075,-59.178 v1(19.075,-56.388) v1@19.075,-56.363 ; D4.2@19.558,-71.577 v1(21.336,-71.577) ; C201.2@26.528,-66.167 26.528,-67.93 27.153,-68.555 U21.2@27.153,-70.18 ; v1(27.076,-62.215) C1.2@29.108,-62.215 ; C1.2@29.134,-62.24 30.109,-62.24 30.734,-62.865 U2.4@31.814,-62.865 ; R14.1@32.998,-65.281 R14.1@32.998,-65.837 33.045,-65.885 v1(33.045,-67.462) ; C202.2@34.696,-72.024 v1(34.696,-70.155) ; U2.6@37.122,-61.595 U2.7@37.122,-60.325 39.116,-60.325 39.736,-60.945 41.173,-60.945 R13.1@41.239,-61.011 ; C2.1@41.463,-62.865 41.463,-61.234 R13.1@41.239,-61.011 ; C2.1@41.488,-62.89 41.539,-62.84 41.793,-63.094 v1(42.951,-63.094) ; v1(42.901,-61.011) R13.1@41.239,-61.011 ; R37.2@64.567,-69.891 64.567,-67.955 65.949,-67.955 66.995,-69.001 J1.2@67.222,-69.001 ; Q3.2@69.329,-33.172 70.129,-32.372 v1(70.129,-31.039) ; 71.222,-60.223 71.222,-53.365 72.771,-51.816 80.213,-51.816 82.093,-53.696 82.093,-56.845 83.947,-58.699 v2@84.303,-58.699 ; v1(71.501,-24.587) 71.501,-23.495 Q2.2@71.577,-23.419 ; C20.1@73.889,-59.37 73.939,-59.421 73.939,-60.452 ; C21.1@73.939,-61.747 73.939,-60.452 ; v4(83.236,-64.795) 83.236,-67.081 81.788,-68.529 75.946,-68.529 71.222,-63.805 71.222,-60.452 73.939,-60.452 ; C15.2@85.634,-54.864 v1(87.335,-54.864) ; C14.2@85.659,-52.578 v1(87.361,-52.578) ; C16.2@87.318,-49.403 v1(88.875,-49.403) ; C18.2@101.854,-62.824 C18.2@102.337,-62.824 106.158,-62.824 106.477,-62.506 v1(108.178,-62.506) ; Q6.2@140.525,-33.071 v1(142.227,-33.071) ; v1(142.405,-24.359) Q5.2@142.405,-23.139 ; D7.2@149.696,-63.5 149.733,-63.463 v1(149.733,-61.316) ; R101.1@153.797,-57.556 v1(153.797,-55.524) ; v1(155.412,-67.285) C102.2@155.412,-65.253 ; v1(157.505,-51.054) 159.744,-51.054 C8.2@159.792,-51.007 161.958,-51.007 U3.1@162.763,-50.202 ; U8.7@164.948,-57.633 v1(166.98,-57.633) ; C101.2@167.488,-67.117 v1(169.52,-67.117) ; v1(171.729,-57.988) 171.729,-55.956 C9.2@171.755,-55.931 ; D6.2@172.898,-46.685 v1(174.93,-46.685) ; v1(174.269,-60.249) 175.732,-60.249 C4.1@175.758,-60.274 ; C4.1@175.783,-60.3 175.783,-59.497 176.2,-59.08 U1.5@176.2,-57.683 ; C5.1@179.045,-46.218 v1(180.975,-46.218) ; CR1.2@189.84,-66.599 v1(191.872,-66.599) ; v1(195.631,-44.46) C6.2@195.631,-42.758 ; v1(198.018,-44.46) C7.2@198.018,-42.758 ; 1.1@202.458,-57.278 202.458,-58.719 202.797,-59.058 v1(202.797,-60.427)
  other v1: 100.99,-66.269
  other v2: 78.689,-68.478 82.652,-67.64 74.701,-67.234 72.441,-65.024 71.222,-61.874 84.303,-58.776 71.196,-58.039 83.033,-57.785 82.169,-55.728 71.247,-54.889 81.483,-52.959 72.212,-52.349 76.048,-51.714 79.172,-51.714
GPIO_0: 1.4 pad.78 R22.1 U5.3 | length 137.7
  Top Layer w0.254: U5.3@87.512,-58.097 90.254,-58.097 pad.78@90.297,-58.141 ; v1(111.43,-64.033) 116.815,-69.418 204.625,-69.418 v1(206.705,-67.338) ; v1(206.705,-62.967) 206.705,-60.35 207.277,-59.778 208.509,-59.778 208.509,-57.553 1.4@208.485,-57.529
  Bottom Layer w0.254: pad.78@90.445,-58.318 pad.78@90.297,-58.141 90.297,-60.528 93.802,-64.033 v1(111.43,-64.033) ; v1(206.705,-67.338) v1(206.705,-62.967)
GPIO_15: 1.2 R23.1 | length 3
  Top Layer w0.254: 1.2@204.485,-57.529 204.648,-57.692 204.648,-60.276 R23.1@204.497,-60.427
HV_CLK: U4.30 U5.46 | length 36.6
  Top Layer w0.254: U5.46@98.812,-58.097 v1(101.847,-58.097) ; U4.30@131.452,-63.535 v1@131.452,-60.649
  Bottom Layer w0.254: v1(101.847,-58.097) 101.861,-58.097 104.394,-60.63 v1(131.496,-60.63)
HV_DIN1: U4.25 U5.64 | length 49.3
  Top Layer w0.254: U5.64@89.412,-55.197 89.412,-50.034 89.967,-49.479 108.211,-49.479 122.267,-63.535 U4.25@127.452,-63.535
HV_DIN2: U4.26 U5.62 | length 50.4
  Top Layer w0.254: U5.62@90.424,-55.143 90.424,-52.705 90.199,-52.48 90.199,-50.72 90.932,-49.987 108.001,-49.987 122.981,-64.968 127.996,-64.968 128.252,-64.712 U4.26@128.252,-63.535
HV_DIN3: U4.27 U5.59 | length 49.2
  Top Layer w0.254: U5.59@91.912,-55.197 91.912,-50.978 ; 91.923,-50.978 92.38,-50.521 107.816,-50.521 122.771,-65.476 128.206,-65.476 129.052,-64.631 U4.27@129.052,-63.535
HV_DIN4: U4.28 U5.54 | length 46.8
  Top Layer w0.254: U5.54@94.412,-55.197 94.412,-55.077 94.389,-55.054 94.389,-54.47 94.412,-54.448 94.412,-52.273 95.656,-51.029 107.605,-51.029 122.561,-65.984 128.529,-65.984 129.852,-64.662 U4.28@129.852,-63.535
HV_LE: U4.29 U5.51 | length 45.9
  Top Layer w0.254: U5.51@95.912,-55.197 95.912,-52.856 97.231,-51.537 107.395,-51.537 122.457,-66.599 128.854,-66.599 130.652,-64.801 U4.29@130.652,-63.535
HV_POL: U4.35 U5.49 | length 52
  Top Layer w0.254: U5.49@96.912,-55.197 96.912,-53.507 97.434,-52.984 108.124,-52.984 122.348,-67.208 135.274,-67.208 135.452,-67.031 U4.35@135.452,-63.535 ; U5.49@96.921,-56.061 U5.49@96.921,-53.929
JUMP1: pad.87 R56.2 RE2.1 RE2.2 U5.31 | length 125.2
  Top Layer w0.254: RE2.2@1.476,-37.647 RE2.1@7.976,-37.647 10.854,-37.647 10.871,-37.629 17.513,-37.629 18.316,-38.432 31.053,-38.432 35.108,-42.488 52.673,-42.488 v1(54.229,-44.044) ; pad.87@96.413,-69.291 U5.31@96.413,-66.088
  Bottom Layer w0.254: v1(54.229,-44.044) 65.303,-55.118 65.303,-72.085 66.523,-73.304 86.385,-73.304 91.237,-68.453 95.58,-68.453 96.404,-69.277 pad.87@96.404,-69.291
Net1_11: 1.11 R28.2 | length 3
  Top Layer w0.254: 1.11@212.485,-41.729 212.496,-41.718 R28.2@212.496,-38.723
NetC2_2: C2.2 U2.5 | length 2.4
  Top Layer w0.254: U2.5@37.122,-62.865 C2.2@39.563,-62.865
NetC3_1: C3.1 R8.1 R14.2 U2.3 | length 10.2
  Top Layer w0.254: U2.3@31.814,-61.595 33.884,-61.595 34.698,-62.409 34.698,-65.837 36.486,-65.837 36.881,-66.231 C3.1@36.881,-67.427
NetC4_2: C4.2 CR1.1 U1.6 | length 21.3
  Top Layer w0.254: C4.2@177.683,-60.3 177.683,-59.421 177.47,-59.207 U1.6@177.47,-57.683 177.47,-55.88 178.943,-54.407 186.715,-54.407 189.56,-51.562 CR1.1@189.56,-48.616
NetCON1_1: CON1.1 F1.1 | length 2.9
  Top Layer w0.8: CON1.1@13.792,-66.573 F1.1@16.7,-66.573
NetD1_1: D1.1 L1.2 Q1.D | length 10.7
  Top Layer w0.8: L1.2@38.233,-49.225 39.299,-48.158 D1.1@48.475,-48.158
NetD4_1: D4.1 R26.2 | length 3.6
  Top Layer w0.254: D4.1@17.018,-71.577 16.916,-71.476 16.916,-69.545 17.297,-69.164 R26.2@18.278,-69.164
NetD5_1: D5.1 R27.2 | length 1.9
  Top Layer w0.254: D5.1@9.017,-44.501 9.027,-44.511 R27.2@9.027,-46.431
NetD6_1: D6.1 R29.2 | length 2
  Top Layer w0.254: R29.2@170.851,-49.2 D6.1@172.872,-49.2
NetD7_1: D7.1 R33.2 U4.40 | length 8.2
  Top Layer w0.254: U4.40@139.452,-63.535 144.882,-63.535 144.882,-61.009 R33.2@145.083,-60.808
NetF1_2: F1.2 R26.1 S1.2 S1.5 | length 27.3
  Top Layer w0.8: S1.5@2.286,-53.492 S1.2@7.086,-53.492 9.423,-53.492 14.681,-58.75 14.681,-60.274 20.13,-65.722 F1.2@20.13,-66.573 20.13,-69.116 R26.1@20.178,-69.164
NetJ1_1: J1.1 R34.2 | length 42.7
  Top Layer w0.254: v1(105.969,-68.123) R34.2@105.969,-66.688
  Bottom Layer w0.254: J1.1@67.222,-71.541 67.222,-70.613 67.639,-70.196 87.868,-70.196 90.627,-67.437 96.012,-67.437 96.698,-68.123 v1(105.969,-68.123)
NetJ1_3: J1.3 R36.2 | length 42.6
  Top Layer w0.254: v1(107.798,-67.92) R36.2@107.798,-66.688
  Bottom Layer w0.254: J1.3@69.762,-71.541 71.017,-72.796 86.03,-72.796 90.881,-67.945 95.791,-67.945 96.476,-68.631 104.369,-68.631 104.623,-68.885 106.832,-68.885 v1(107.798,-67.92)
NetP1_1: P1.1 R39.2 | length 2.2
  Top Layer w0.254: P1.1@103.505,-66.243 103.784,-66.523 103.784,-68.136 R39.2@103.62,-68.301
NetQ1_G: Q1.G U2.1 | length 11.3
  Top Layer w0.254: U2.1@31.814,-59.055 31.814,-57.543 32.645,-56.712 Q1.G@41.21,-56.712